# Allegro board PSOC_6A512K_CAPSENSE_VALIDATION_BOARD_Rev_2.brd
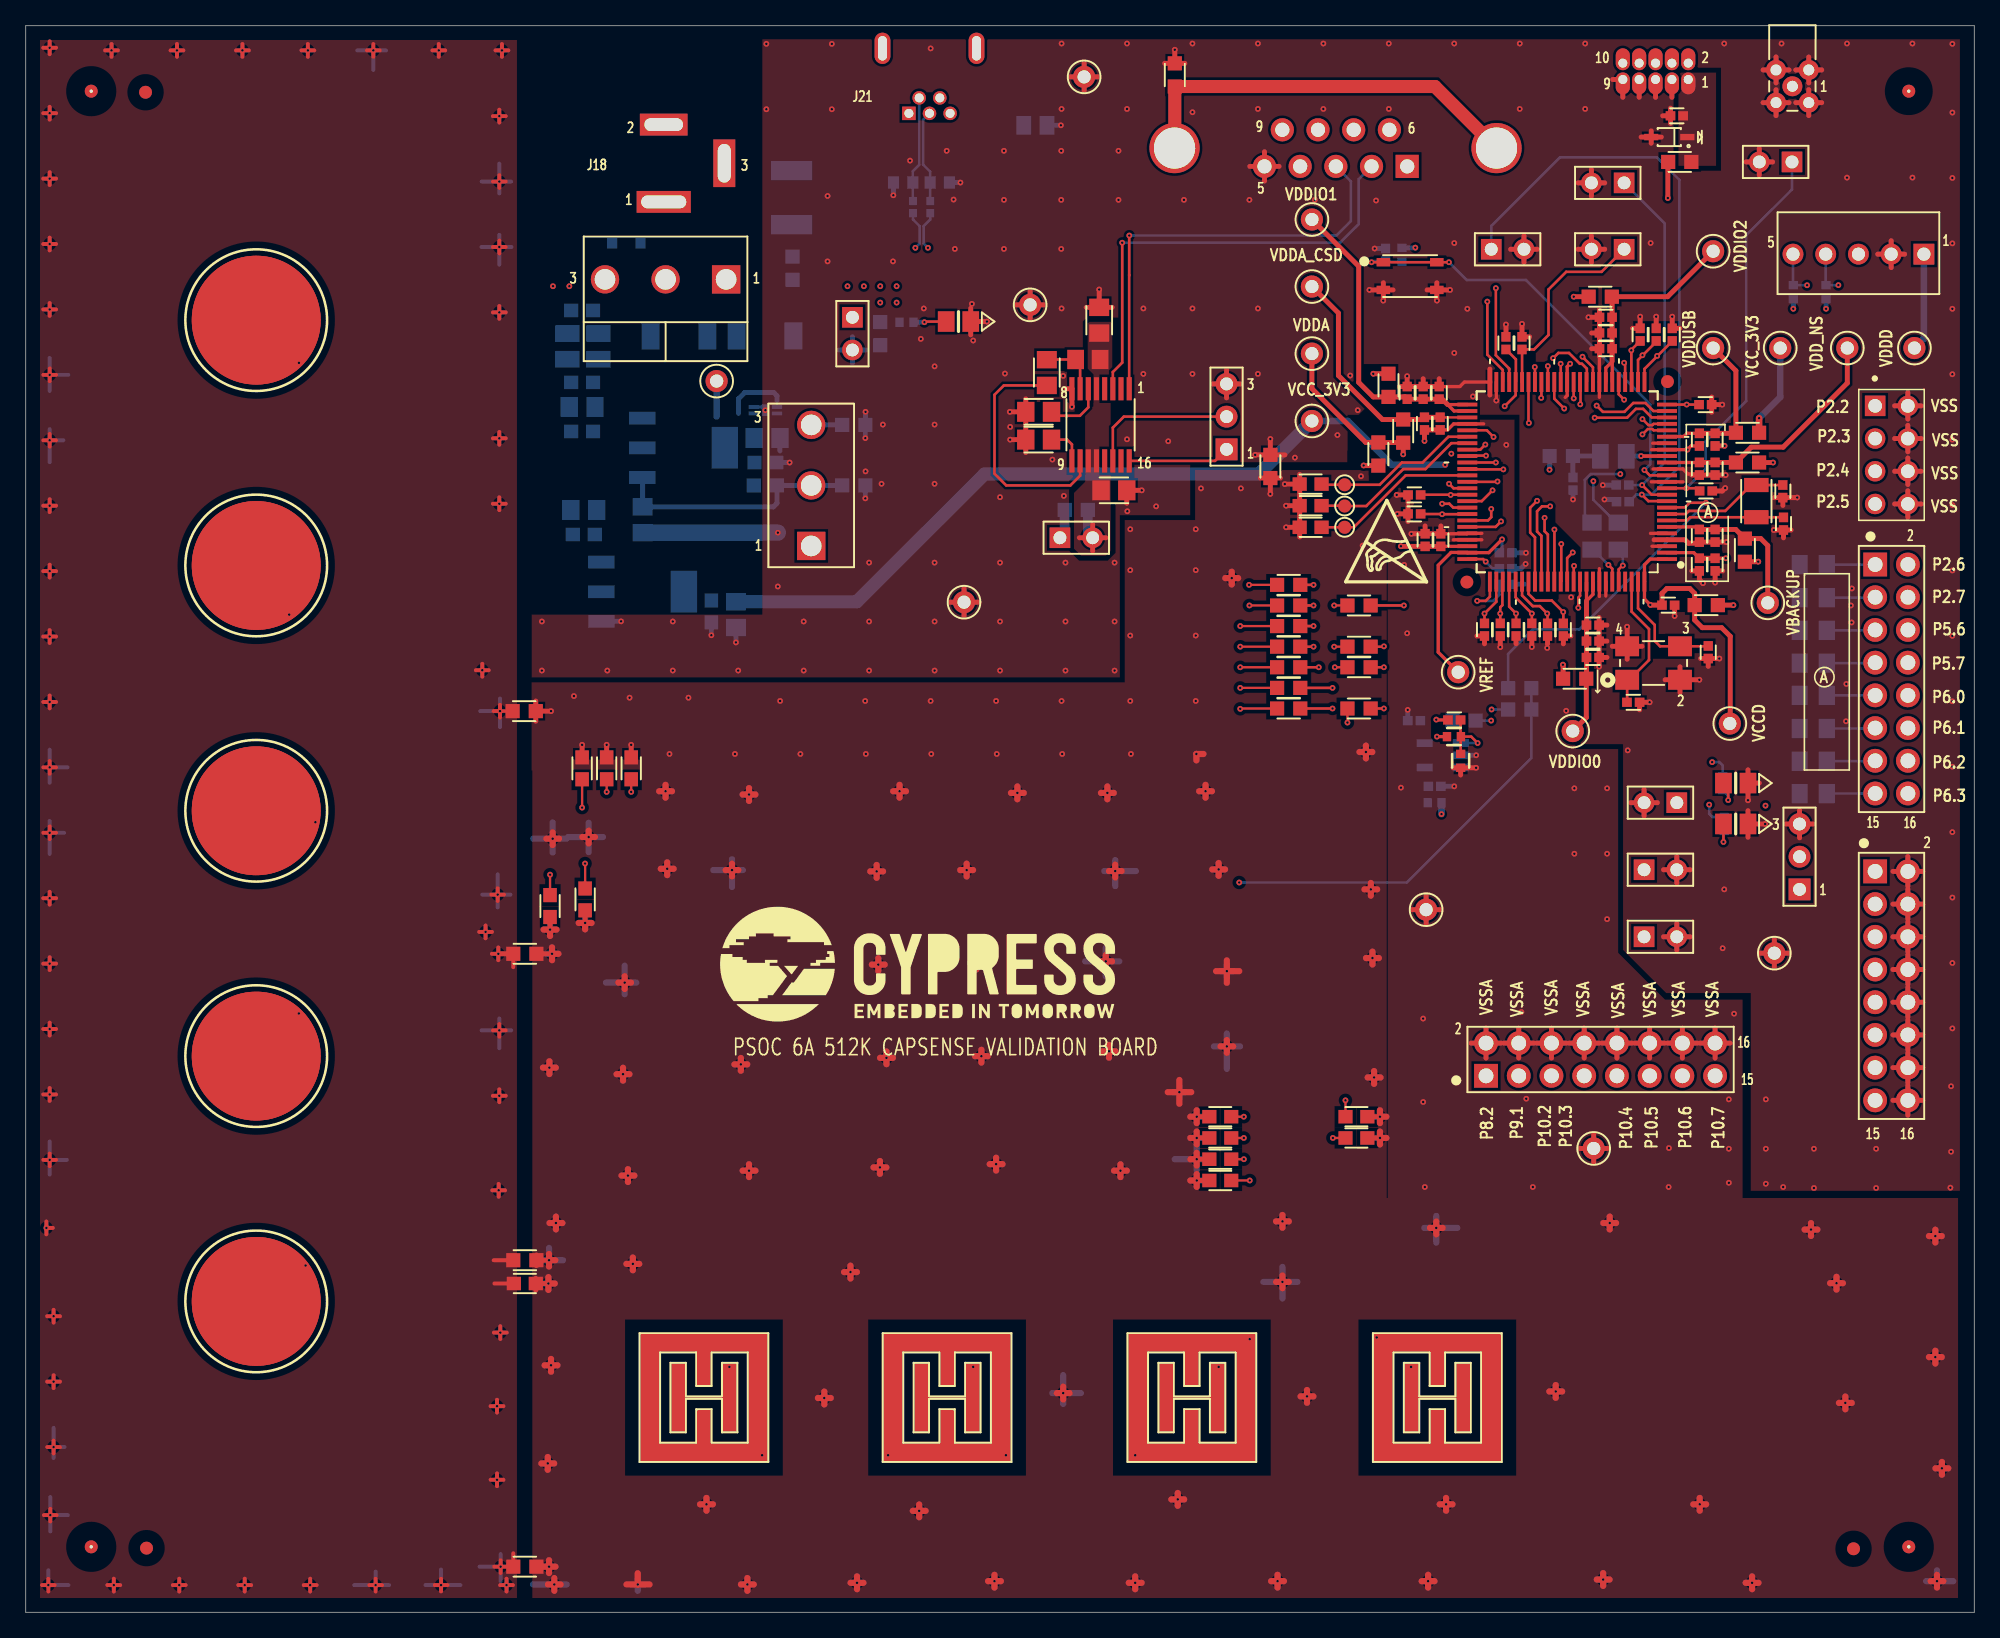
[diagram p0: board, top side]
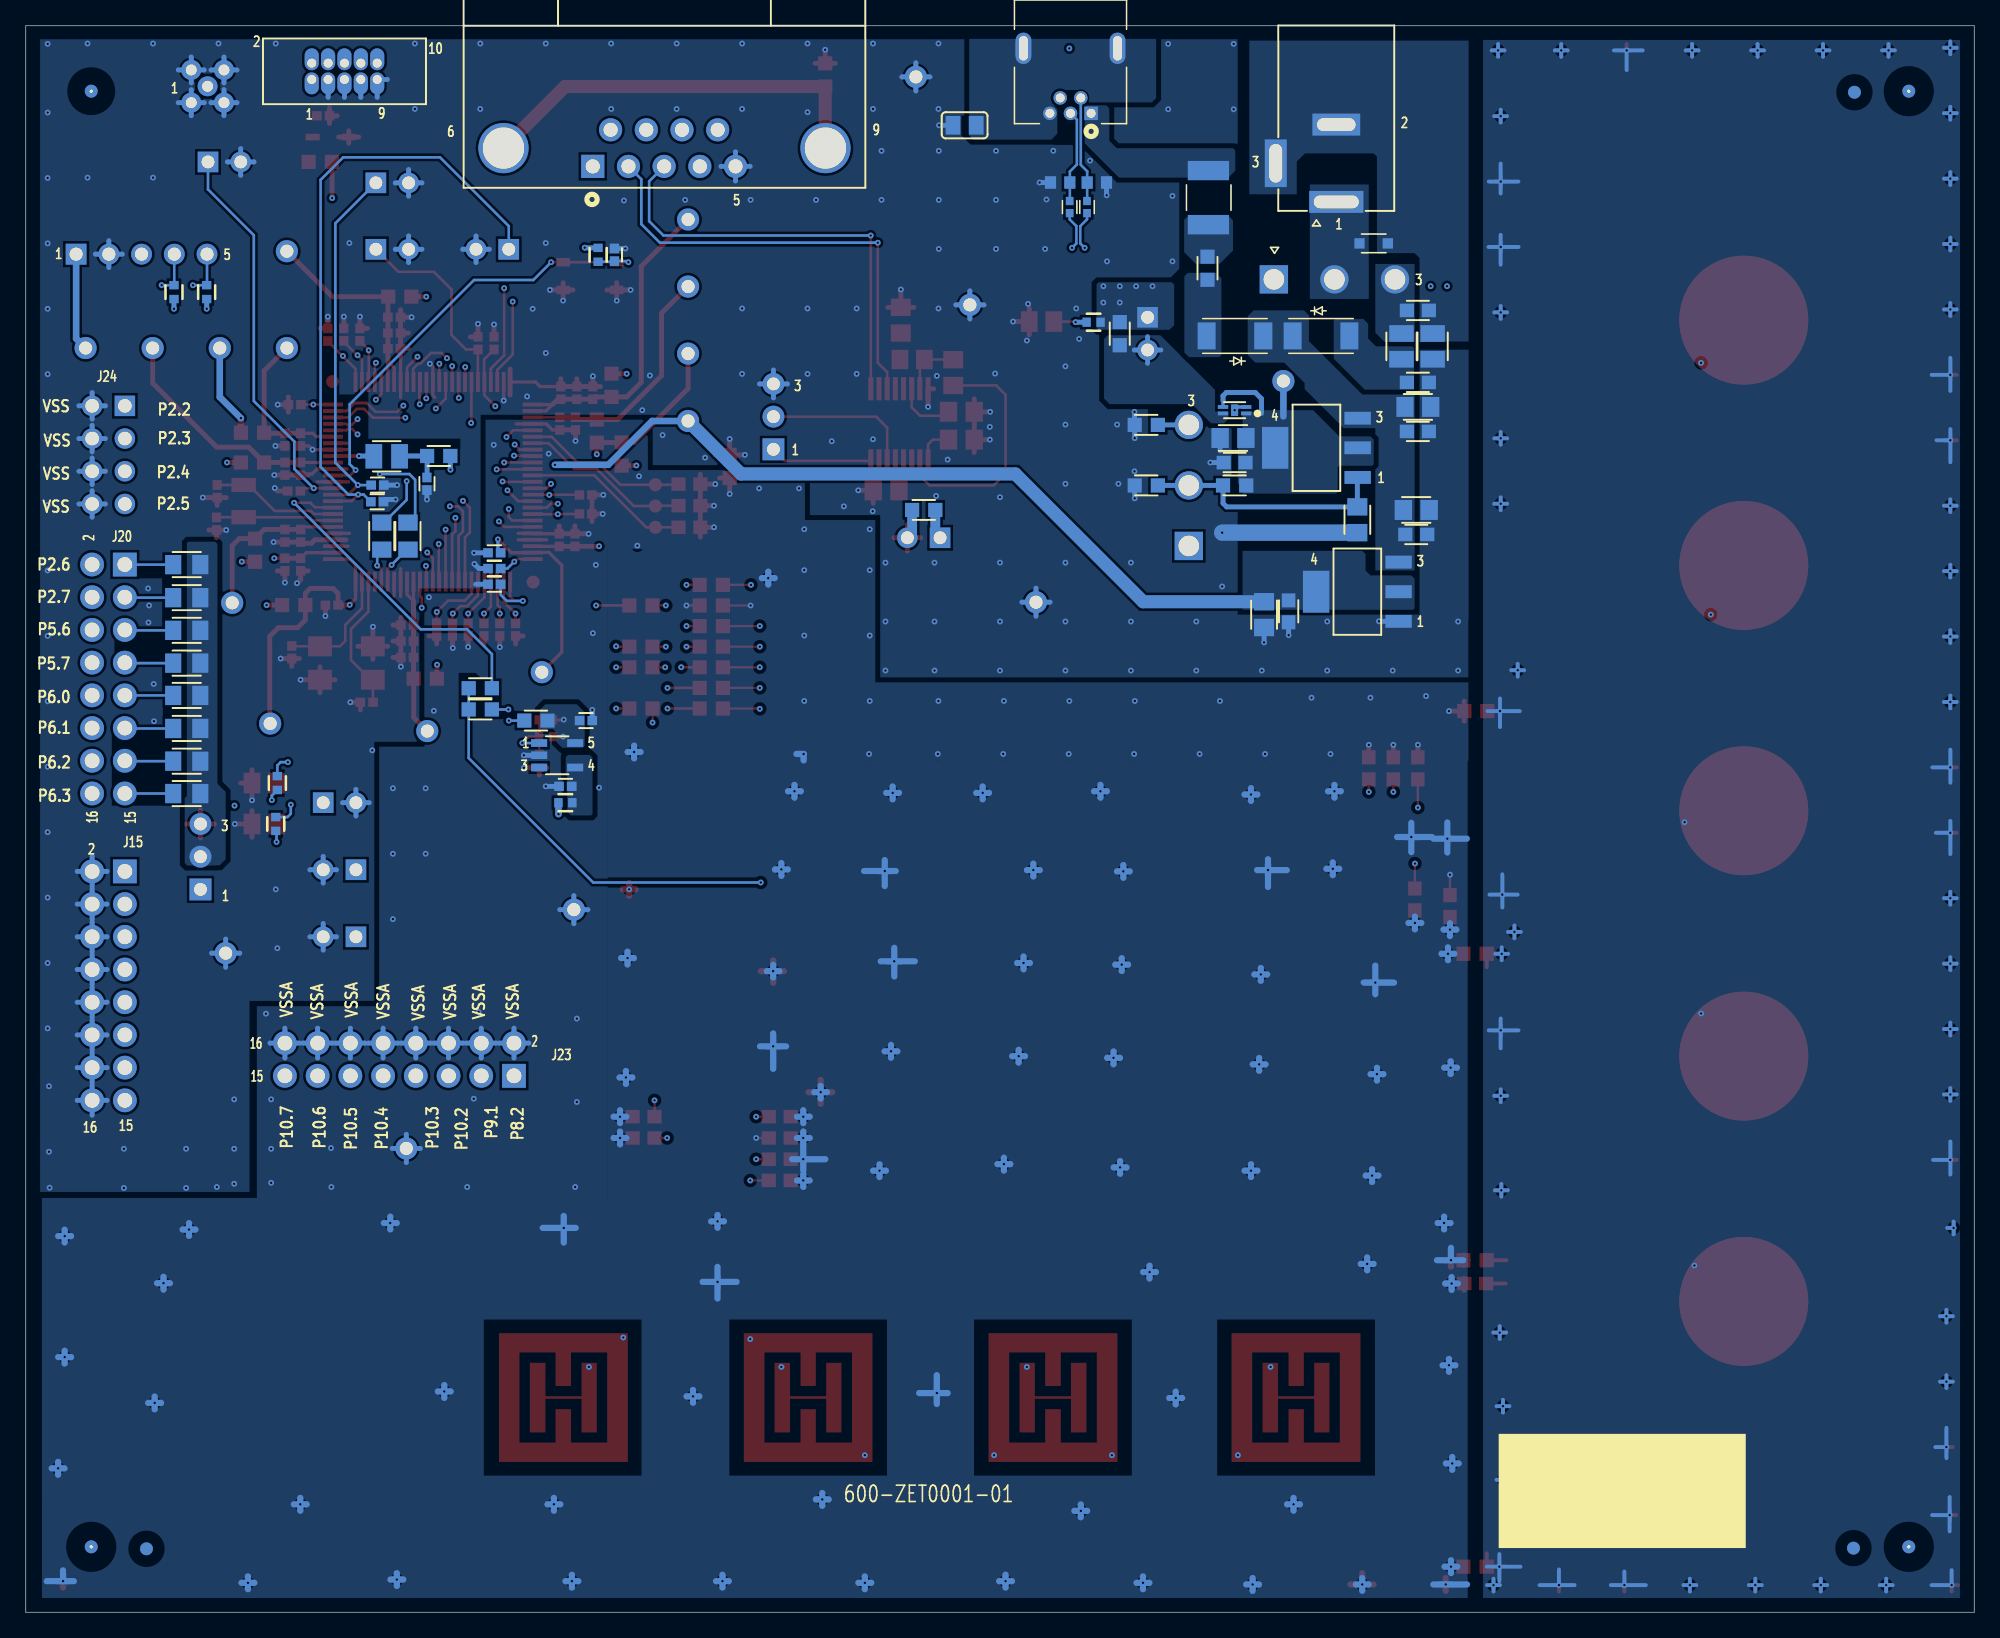
[diagram p1: board, bottom side, seen from below]

Outline 151.23 x 123.2 mm; copper layers: TOP, L02_GND, L03_SIG, L04_SIG, L05_PWR, BOTTOM. Coordinates in mm from the lower left corner of the outline.
Outline path: 0,123.2 151.23,123.2 151.23,0 0,0 0,123.2

## Design rules (mm)
net group I2C: nets I2C_SCL I2C_SDA
net group USB_DP1: nets USBDM USBDP
net group USB_DP2: nets N17706476 N17706697
net group CAP_SENSE: nets CSD0 CSD1 CSD2 CSD3 CSD4 RX0 RX1 RX2 RX3 TX0 TX1
net group PORT11: nets P11_0 P11_1 P11_2 P11_3 P11_4 P11_5 P11_6 P11_7

## Placement (name value [footprint] x y rotation side)
C1  1.0 uF  [CAPC1005_0402M]  128.14 116.2 180 top
C2  1 uF  [CAPC2012_0805M]  83.31 100.33 90 top
C3  220 nF  [CAPC2012_0805M]  79.25 96.27 270 top
C4  1 uF  [CAPC2012_0805M]  78.61 93.22 180 top
C5  1 uF  [CAPC2012_0805M]  78.61 91.06 180 top
C6  220 nF  [CAPC2012_0805M]  84.45 87.12 0 top
C8  1uF  [CAPC1005_0402M]  108.56 92.3 270 top
C9  0.1uF  [CAPC1005_0402M]  109.78 92.3 270 top
C11  10uF  [CAPC1005_0402M]  129.89 81.36 270 top
C12  0.1uF  [CAPC1005_0402M]  131.11 81.36 270 top
C13  1uF  [CAPC1005_0402M]  121.62 74.14 0 top
C14  0.1uF  [CAPC1005_0402M]  121.62 76.66 0 top
C15  1uF  [CAPC1005_0402M]  107.21 94.69 90 top
C16  0.1uF  [CAPC1005_0402M]  108.46 94.69 90 top
C17  1uF  [CAPC1005_0402M]  122.63 100.56 180 top
C18  0.1uF  [CAPC1005_0402M]  122.63 99.34 180 top
C19  10uF  [CAPC1005_0402M]  109.83 83.26 90 top
C20  0.1uF  [CAPC1005_0402M]  108.61 83.26 90 top
C21  470pF  [CAPC1608_0603M]  99.72 87.61 180 top
C22  470pF  [CAPC1608_0603M]  99.72 85.93 180 top
C23  2200pF  [CAPC1608_0603M]  99.72 84.25 180 top
C25  30 pF  [CAPC1608_0603M]  43.18 65.53 90 top
C26  20 pF  [CAPC1608_0603M]  45.09 65.53 90 top
C27  10 pF  [CAPC1608_0603M]  46.99 65.53 90 top
C28  1.0 nF  [CAPC1005_0402M]  110.87 69.29 0 top
C30  39 pF  [CAPC1608_0603M]  43.41 55.35 270 top
C31  10 pF  [CAPC1608_0603M]  92.71 38.48 180 top
C32  10 pF  [CAPC1608_0603M]  103.28 38.48 0 top
C33  10 pF  [CAPC1608_0603M]  92.71 36.83 180 top
C34  10 pF  [CAPC1608_0603M]  103.28 36.83 0 top
C35  10 pF  [CAPC1608_0603M]  92.71 35.18 180 top
C37  10 pF  [CAPC1608_0603M]  92.71 33.53 180 top
C39  10 pF  [CAPC1608_0603M]  38.73 25.53 0 top
C40  0.1 uF  [CAPC1005_0402M]  105.54 105.41 90 bottom
C41  0.1 uF  [CAPC1608_0603M]  43.18 101.09 180 bottom
C42  0.1 uF  [CAPC1608_0603M]  43.18 95.5 180 bottom
C43  10 uF  [CAPC2012_0805M]  43.18 93.6 180 bottom
C44  0.1 uF  [CAPC1608_0603M]  43.18 91.69 180 bottom
C45  10 uF  [CAPC2012_0805M]  57.53 91.19 0 bottom
C46  0.1 uF  [CAPC1608_0603M]  57.4 89.28 0 bottom
C48  33pF  [CAPC1005_0402M]  136.37 87.05 270 top
C49  18pF  [CAPC1005_0402M]  136.42 84.53 270 top
C50  10 uF  [CAPC2012_0805M]  43.31 85.6 180 bottom
C51  10 uF  [CAPC2012_0805M]  47.88 84.84 270 bottom
C52  0.1 uF  [CAPC1608_0603M]  43.31 83.69 180 bottom
C54  15 pF  [CAPC1005_0402M]  130.58 74.55 270 top
C55  15 pF  [CAPC1005_0402M]  124.76 70.66 0 top
C60  0.1 uF  [CAPC1608_0603M]  53.21 77.72 270 bottom
C61  10 uF  [CAPC2012_0805M]  55.12 77.47 270 bottom
C64  10 uF  [CAPC1005_0402M]  107.75 69.24 180 bottom
C65  1.0 uF  [CAPC1005_0402M]  109.35 64.14 0 bottom
C87  15 pF  [CAPC1005_0402M]  107.77 86.77 0 top
C88  15 pF  [CAPC1005_0402M]  107.77 85.29 0 top
C93  4.7uF  [CAPC1005_0402M]  120.09 87.63 270 bottom
C95  0.1uF  [CAPC1005_0402M]  129.9 88.8 270 top
C96  10uF  [CAPC1005_0402M]  131.12 88.8 270 top
C98  1uF  [CAPC1005_0402M]  127.48 78.21 0 top
C99  1uF  [CAPC1005_0402M]  114.86 82.27 0 bottom
C100  0.1uF  [CAPC1005_0402M]  121.62 75.41 0 top
C101  0.1uF  [CAPC1005_0402M]  109.7 94.69 90 top
C102  0.1uF  [CAPC1005_0402M]  122.63 98.12 180 top
C103  1uF  [CAPC1005_0402M]  131.12 91.06 270 top
C104  0.1uF  [CAPC1005_0402M]  129.9 91.06 270 top
C105  0.1uF  [CAPC1005_0402M]  129.89 83.59 270 top
C106  1uF  [CAPC1005_0402M]  131.11 83.59 270 top
C108  15 pF  [CAPC1005_0402M]  114.86 79.83 180 bottom
C109  15 pF  [CAPC1005_0402M]  114.86 81.05 180 bottom
C110  15 pF  [CAPC1005_0402M]  130.4 87.07 180 top
C111  15 pF  [CAPC1005_0402M]  114.88 98.55 270 top
C112  15 pF  [CAPC1005_0402M]  116.13 98.55 270 top
C113  15 pF  [CAPC1005_0402M]  123.93 87.53 0 bottom
C114  15 pF  [CAPC1005_0402M]  123.95 86.23 0 bottom
C115  15 pF  [CAPC1005_0402M]  119.34 76.3 90 top
C116  15 pF  [CAPC1005_0402M]  118.11 76.3 90 top
C117  15 pF  [CAPC1005_0402M]  116.89 76.3 90 top
C118  15 pF  [CAPC1005_0402M]  115.67 76.3 90 top
C119  15 pF  [CAPC1005_0402M]  114.44 76.3 90 top
C120  15 pF  [CAPC1005_0402M]  113.22 76.3 90 top
C121  39 pF  [CAPC1608_0603M]  40.69 54.84 270 top
C122  15 pF  [CAPC1005_0402M]  130.36 93.78 180 top
C123  15 pF  [CAPC1005_0402M]  127.79 99.21 270 top
C124  15 pF  [CAPC1005_0402M]  126.54 99.21 270 top
C125  15 pF  [CAPC1005_0402M]  125.3 99.21 270 top
CAP_SH1  CAP_SHIELD  [CAP_SH1]  35.43 73.15 270 top
CAP_SH2  CAP_SHIELD  [CAP_SH1]  140.54 25.55 0 top
CSB1  10mm Self Cap  [CSB-10MM]  17.89 100.34 0 top
CSB2  10mm Self Cap  [CSB-10MM]  17.89 81.29 0 top
CSB3  10mm Self Cap  [CSB-10MM]  17.89 62.24 0 top
CSB4  10mm Self Cap  [CSB-10MM]  17.89 43.19 0 top
CSB5  10mm Self Cap  [CSB-10MM]  17.89 24.14 0 top
CSB6  CSX_BUT_100x100  [CAPSEN_100X100_80]  52.63 16.67 180 top
CSB7  CSX_BUT_100x100  [CAPSEN_100X100_80]  71.51 16.67 180 top
CSB8  CSX_BUT_100x100  [CAPSEN_100X100_80]  90.5 16.67 180 top
CSB10  CSX_BUT_100x100  [CAPSEN_100X100_80]  109.5 16.67 180 top
D4  PMEG3020BEP  [SODFL470X250X110L60X175]  50.7 99.11 180 bottom
D5  PMEG3020BEP  [SODFL470X250X110L60X175]  57.38 99.11 0 bottom
F1  FUSE/SM  [F1812]  59.44 109.86 270 bottom
J1  MMCX  [MOLEX_734151001]  137.11 118.5 180 top
J2  2-pin HDR  [3M_961102-6404-AR]  137.08 112.62 180 top
J3  2-pin HDR  [3M_961102-6404-AR]  124.05 111 180 top
J4  2-pin HDR  [3M_961102-6404-AR]  124.05 105.84 180 top
J5  22-23-2051  [MOLEX_22-23-2051]  147.32 105.46 180 top
J6  2-pin HDR  [3M_961102-6404-AR]  113.74 105.84 0 top
J7  2-pin HDR  [3M_961102-6404-AR]  64.16 100.56 270 top
J8  3-pin HDR  [3M_961103-6404-AR]  93.2 90.3 90 top
J10  2-pin HDR  [3M_961102-6404-AR]  80.26 83.44 0 top
J11  3-pin HDR  [3M_961103-6404-AR]  137.67 56.13 90 top
J12  2-pin HDR  [3M_961102-6404-AR]  128.14 62.87 180 top
J13  2-pin HDR  [3M_961102-6404-AR]  125.6 57.66 0 top
J14  2-pin HDR  [3M_961102-6404-AR]  125.6 52.45 0 top
J15  Header 2x8  [HARWIN_M20-9970846]  143.54 57.53 270 top
J16  1734354-1  [TE_1734354-1]  107.22 112.28 0 bottom
J17  HDR_S 5x2  [CNC_3220-10-0100-00]  129.03 119.02 180 bottom
J18  PJ-002A  [CUI_PJ-002A]  49.51 109.52 90 bottom
J20  Header 2x8  [HARWIN_M20-9970846]  143.54 81.36 270 top
J21  USB  [TE_1734510]  70.14 120.4 0 bottom
J23  Header 2x8  [HARWIN_M20-9970846]  113.33 41.66 0 top
J24  Header 2x4  [HARWIN_M20-9980446]  143.54 93.68 270 top
L1  10uH  [INDC2012_0805N]  82.43 97.28 180 top
L2  2.2uH  [INDC2016_0806M]  44.45 98.3 270 bottom
L3  2.2uH  [INDC2016_0806M]  42.04 98.3 270 bottom
L4  2.2uH  [INDC2016_0806M]  123.22 89.76 180 bottom
L5  30 OHM  [FB0805]  78.36 115.47 0 bottom
LED1  GREEN LED  [LEDC2012_0805]  72.39 100.23 180 top
LED2  GREEN LED  [LEDC2012_0805]  132.72 64.39 180 top
LED3  GREEN LED  [LEDC2012_0805]  132.72 61.21 180 top
NOREF  -  []  79.94 0 90 top
NOREF#2  -  []  24.13 -10.03 0 top
NOREF#3  -  [unnamed#2]  146.15 118.12 0 top
NOREF#4  -  [unnamed#2]  146.15 5.08 0 top
NOREF#5  -  [unnamed#2]  5.08 5.08 0 top
NOREF#6  -  []  118.47 -13.61 0 top
NOREF#7  -  [unnamed#3]  9.37 4.98 0 top
NOREF#8  -  [unnamed#2]  5.08 118.12 0 top
NOREF#9  -  []  85.57 69.44 0 top
NOREF#10  -  []  236.56 259.57 0 top
NOREF#11  -  [unnamed#3]  9.3 118.03 0 top
NOREF#12  -  [unnamed#3]  141.86 4.93 0 top
NOREF#13  -  []  -292.35 -210.03 0 top
NOREF#14  -  []  119.38 71.12 0 top
NOREF#15  -  []  71.25 50.33 0 top
NOREF#16  -  []  0 77.42 0 top
NOREF#17  -  []  53.28 69.47 180 bottom
NOREF#18  -  []  27.32 9.42 180 bottom
NOREF#19  -  [unnamed#3]  9.3 118.03 180 bottom
NOREF#20  -  [unnamed#3]  141.86 4.93 180 bottom
NOREF#21  -  [unnamed#3]  9.37 4.98 180 bottom
R1  0 OHM  [RESC1608_0603M]  89.18 119.38 270 top
R2  0 OHM  [RESC1608_0603M]  128.37 112.62 180 top
R3  0 OHM  [RESC1608_0603M]  130.43 78.21 180 top
R4  0 OHM  [RESC1608_0603M]  133.43 82.47 90 top
R5  0 OHM  [RESC1608_0603M]  133.63 89.28 0 top
R6  560 OHM  [RESC1608_0603M]  98.02 79.78 0 top
R8  560 OHM  [RESC1608_0603M]  98.02 78.18 0 top
R9  560 OHM  [RESC1608_0603M]  103.48 78.18 0 top
R10  560 OHM  [RESC1608_0603M]  98.02 76.58 0 top
R12  560 OHM  [RESC1608_0603M]  98.02 74.98 0 top
R13  560 OHM  [RESC1608_0603M]  103.48 74.98 0 top
R14  0 OHM  [RESC1608_0603M]  38.68 69.98 180 top
R17  560 OHM  [RESC1608_0603M]  98.02 73.38 0 top
R18  560 OHM  [RESC1608_0603M]  103.48 73.38 180 top
R19  560 OHM  [RESC1608_0603M]  98.02 71.78 0 top
R21  0 OHM  [RESC1608_0603M]  111.63 69.24 0 bottom
R25  560 OHM  [RESC1608_0603M]  103.48 70.18 180 top
R26  15.6K  [RESC1005_0402M]  110.85 68 180 top
R27  10K  [RESC1005_0402M]  111.37 66.12 90 top
R28  0 OHM  [RESC1608_0603M]  38.73 51.13 180 top
R29  0 OHM  [RESC1608_0603M]  38.73 27.34 180 top
R30  0 OHM  [RESC1608_0603M]  38.73 3.54 180 top
R31  4.7K  [RESC1005_0402M]  106.81 105.41 270 bottom
R32  4.7K  [RESC1005_0402M]  139.73 102.51 270 bottom
R33  4.7K  [RESC1005_0402M]  137.19 102.51 270 bottom
R34  750 OHM  [RESC1005_0402M]  68.35 100.18 0 bottom
R36  0 OHM  [RESC1608_0603M]  66.32 99.29 90 bottom
R38  33 Ohm  [RESC2012_0805M]  138.73 81.35 0 bottom
R39  73.2E  [RESC1608_0603M]  64.26 92.2 180 bottom
R40  33 Ohm  [RESC2012_0805M]  138.73 78.79 0 bottom
R41  330 Ohm  [RESC2012_0805M]  123.6 83.57 270 bottom
R42  330 Ohm  [RESC2012_0805M]  121.56 83.57 270 bottom
R43  33 Ohm  [RESC2012_0805M]  138.73 76.25 0 bottom
R45  200E  [RESC1608_0603M]  64.26 87.5 180 bottom
R46  121E  [RESC1608_0603M]  57.4 87.5 180 bottom
R47  33 Ohm  [RESC2012_0805M]  138.73 73.7 0 bottom
R48  0 OHM  [RESC1608_0603M]  81.53 85.6 180 bottom
R49  33 Ohm  [RESC2012_0805M]  138.73 71.19 0 bottom
R50  33 Ohm  [RESC2012_0805M]  138.73 68.63 0 bottom
R51  33 Ohm  [RESC2012_0805M]  138.73 66.09 0 bottom
R54  33 Ohm  [RESC2012_0805M]  138.73 63.57 0 bottom
R55  0 OHM  [RESC1608_0603M]  115.95 71.75 0 bottom
R57  0 OHM  [RESC1608_0603M]  115.95 70.1 0 bottom
R58  750 OHM  [RESC1005_0402M]  131.7 64.39 270 bottom
R59  10K  [RESC1005_0402M]  109.35 62.87 0 bottom
R60  750 OHM  [RESC1005_0402M]  131.83 61.21 270 bottom
R63  0 OHM  [RESC1608_0603M]  96.6 88.98 270 top
R67  0 OHM  [RESC1608_0603M]  133.63 91.59 180 top
R68  0 OHM  [RESC1608_0603M]  119.18 89.79 180 bottom
R69  0 OHM  [RESC1608_0603M]  106.91 91.72 270 top
R70  0 OHM  [RESC1608_0603M]  120.22 72.49 0 top
R71  0 OHM  [RESC1608_0603M]  104.98 89.94 270 top
R72  0 OHM  [RESC1608_0603M]  105.77 95.28 270 top
R73  0 OHM  [RESC1608_0603M]  122.2 102.16 0 top
R76  22R  [R0402]  68.86 109.12 270 bottom
R77  22R  [R0402]  70.21 109.12 270 bottom
R78  0 OHM  [RESC1608_0603M]  59.51 104.37 270 bottom
R79  560 OHM  [RESC1608_0603M]  98.02 70.18 0 top
RV1  CG0603MLC-05E  [VAR0603]  68.1 111.02 180 bottom
RV2  CG0603MLC-05E  [VAR0603]  70.94 111.02 0 bottom
SW1  SKRPACE010  [SW_SKRPACE010]  107.44 103.76 0 top
SW2  GH36P010001  [SW_GH39P010001]  54.36 103.5 180 top
SW3  GH36P010001  [SW_GH39P010001]  60.96 82.8 90 top
TP1  RED  [TPT_KEY_5000]  99.82 108.15 0 top
TP2  RED  [TPT_KEY_5000]  146.58 98.17 0 top
TP3  RED  [KEYSTONE_5000]  53.62 95.61 0 top
TP5  RED  [TPT_KEY_5000]  130.96 105.69 0 top
TP6  RED  [TPT_KEY_5000]  120.07 68.43 0 top
TP7  RED  [KEYSTONE_5000]  99.82 92.51 0 top
TP8  RED  [TPT_KEY_5000]  136.17 98.17 0 top
TP9  RED  [TPT_KEY_5000]  99.82 97.74 0 top
TP11  RED  [TPT_KEY_5000]  141.38 98.17 0 top
TP12  BLACK  [TPT_KEY_5000]  77.95 101.52 0 top
TP13  RED  [TPT_KEY_5000]  99.82 102.95 0 top
TP14  RED  [TPT_KEY_5000]  130.96 98.17 0 top
TP15  TP_SMD  [TP102C]  102.36 87.55 270 top
TP16  TP_SMD  [TP102C]  102.36 85.9 270 top
TP17  TP_SMD  [TP102C]  102.36 84.25 270 top
TP18  BLACK  [TPT_KEY_5000]  72.82 78.44 0 top
TP19  RED  [TPT_KEY_5000]  132.26 69.01 0 top
TP20  RED  [TPT_KEY_5000]  111.18 73 0 top
TP21  RED  [TPT_KEY_5000]  135.2 78.38 0 top
TP22  BLACK  [TPT_KEY_5000]  108.69 54.56 0 top
TP25  BLACK  [TPT_KEY_5000]  135.71 51.18 0 top
TP26  BLACK  [TPT_KEY_5000]  82.14 119.23 0 top
TP28  BLACK  [TPT_KEY_5000]  121.69 36.02 0 top
TVS1  ESDLC3V3D3-TP  [SOD2413X110M]  127.56 114.55 180 top
TVS2  SD12CT1G  [DIO2_SOD323N_BI]  46.61 106.3 0 bottom
U1  LTC2804IGN-1#PBF  [SSOP64P601X175-16M]  83.42 92.21 270 top
U3  SiP32408  [TDFN50P160X120X60-5M]  57.4 93.34 0 bottom
U4  LM1117MPX-ADJ  [SOT230P700X180-4M]  51.05 90.42 90 bottom
U5  LM1117MPX-3.3/NOPB  [SOT230P700X180-4M]  47.88 79.25 90 bottom
U6  LT6650HS5#TRMPBF  [TSOT95P280X100-5M_LT]  109.98 66.55 180 bottom
U8  P6A512K_100TQFP_NEW  [TQFP50P1600X1600X160-100N]  119.63 87.78 180 top
Y1  32.768KHz  [XTAL320X150X90N_ECS]  134.32 86.28 270 top
Y2  24Mhz  [OSCCC320X500X85-4M]  126.34 73.71 0 top

## Library data of the parts
C1-C6 C8 C9 C11-C20 C25-C28 C30-C35 C37 C39-C46 C48-C52 C60 C61 C64 C65 C93 C95 C96 C98-C106 C121 = CAPACITOR NON-POL
C21-C23 = CAP
C54 C55 C87 C88 C108-C120 C122-C125 = CAP NP
CAP_SH1 = CAP_SHIELD: User Part Number: Part No
CAP_SH2 = CAP_SHIELD_1: User Part Number: Part No
CSB1-CSB5 = CapSense Button Circle Solid
CSB6-CSB8 CSB10 = Cap_Button_Mutual
D4 = DIODE SCHOTTKY_0
D5 = DIODE SCHOTTKY_1
F1 = FUSE/SM
J1 = CONN_MMCX
J2-J4 J6 J7 J10 J12-J14 = CONN PCB 2
J5 = CONN PCB 5
J8 J11 = CON3_0
J15 J20 J23 = HDR_2x16_SHRD_3: alternate symbols: (HARWIN_M20-9970846)
J16 = DB9_2
J17 = RECPT 4X2 100MIL_2
J18 = JCK PWR BARRELL P5_0
J21 = CON4_1
J24 = CON8A
L1 = INDUCTOR: User Part Number: Part No
L2-L4 = INDUCTOR
L5 = BEAD
LED1-LED3 = DIO-LED
NOREF#3-NOREF#5 NOREF#8 = -: User Part Number: MTGHOLE_D320N
R1-R6 R8-R10 R12-R14 R17-R19 R21 R25 R28-R30 R34 R36 R38-R43 R45-R51 R54 R55 R57 R58 R60 R63 R67-R73 R76-R79 = RESISTOR
R26 R27 R31-R33 R59 = RES
RV1 RV2 = VARISTOR
SW1 = SW PUSH NO 4-PIN
SW2 SW3 = SW_T_SPDT_0
TP1-TP3 TP5-TP9 TP11-TP22 TP25 TP26 TP28 = TEST_POINT
TVS1 = TVS 5V SOD-323_3
TVS2 = DIO-TVS-BI: User Part Number: Part No
U1 = U2_0
U3 = SiP32408_0
U4 = U3_1
U5 = U3_0
U6 = LT6650
U8 = P6A512K_100TQFP_NEW
Y1 = CRYSTAL
Y2 = ZTA_14

## Footprints (pads in the part's own frame, mm; a bottom-side part is the same pattern mirrored in y, then rotated)
3M_961102-6404-AR
  rect 1.6x1.6 hole 1: 1(0,0)
  round 1.6 hole 1: 2(2.54,0)
3M_961103-6404-AR
  rect 1.7x1.7 hole 1: 1(0,0)
  round 1.7 hole 1: 2(2.54,0) 3(5.08,0)
CAP_SH1
  rect 0.3x0.25 smd: 1(0,0)
CAPC1005_0402M
  rect 0.75x0.72 smd: 1(-0.49,0) 2(0.49,0)
CAPC1608_0603M
  rect 1.1x1.05 smd: 1(-0.85,0) 2(0.85,0)
CAPC2012_0805M
  rect 1.35x1.55 smd: 1(-1,0) 2(1,0)
CAPSEN_100X100_80
  round 0.3 smd: 1(-4.2,2.1) 2(-2,2.1)
CNC_3220-10-0100-00
  oval 1.1x1.7 hole 0.7: 1(0,0) 2(0,1.27) 3(1.27,0) 4(1.27,1.27) 5(2.54,0) 6(2.54,1.27) 7(3.81,0) 8(3.81,1.27) 9(5.08,0) 10(5.08,1.27)
CSB-10MM
  custom 10x2.5 smd: 1(0,0)
CUI_PJ-002A
  rect 1.7x4.2 hole 1x3.5: 1(0,0)
  rect 1.7x3.7 hole 1x3: 2(6,0)
  rect 3.7x1.7 hole 3x1: 3(3,4.7)
DIO2_SOD323N_BI
  rect 0.8x0.8 smd: 1(-1.1,0) 2(1.1,0)
F1812
  rect 1.5x3.2 smd: 1(-2.1,0) 2(2.1,0)
FB0805
  rect 1.15x1.45 smd: 1(-0.9,0) 2(0.9,0)
HARWIN_M20-9970846
  rect 1.85x1.85 hole 1.15: 1(0,0)
  round 1.85 hole 1.15: 2(0,2.54) 3(2.54,0) 4(2.54,2.54) 5(5.08,0) 6(5.08,2.54) 7(7.62,0) 8(7.62,2.54) 9(10.16,0) 10(10.16,2.54) 11(12.7,0) 12(12.7,2.54) 13(15.24,0) 14(15.24,2.54) 15(17.78,0) 16(17.78,2.54)
HARWIN_M20-9980446
  rect 1.59x1.59 hole 1.06: 1(0,0)
  round 1.59 hole 1.06: 2(0,2.54) 3(2.54,0) 4(2.54,2.54) 5(5.08,0) 6(5.08,2.54) 7(7.62,0) 8(7.62,2.54)
INDC2012_0805N
  rect 1.3x1.5 smd: 1(-0.95,0) 2(0.95,0)
INDC2016_0806M
  rect 1.3x1.9 smd: 1(-1,0) 2(1,0)
KEYSTONE_5000
  round 1.72 hole 1.02: 1(0,0)
LEDC2012_0805
  rect 1.295x1.6 smd: A(0.953,0) K(-0.953,0)
MOLEX_22-23-2051
  rect 1.62x1.62 hole 1.02: 1(0,0)
  round 1.62 hole 1.02: 2(2.54,0) 3(5.08,0) 4(7.62,0) 5(10.16,0)
MOLEX_734151001
  round 1.55 hole 0.85: 1(0,0) 2(-1.27,-1.27) 3(-1.27,1.27) 4(1.27,1.27) 5(1.27,-1.27)
OSCCC320X500X85-4M
  rect 1.85x1.55 smd: 1(-2.05,-1.3) 2(2.05,-1.3) 3(2.05,1.3) 4(-2.05,1.3)
R0402
  rect 0.64x0.6 smd: 1(-0.47,0) 2(0.47,0)
RESC1005_0402M
  rect 0.65x0.72 smd: 1(-0.54,0) 2(0.54,0)
RESC1608_0603M
  rect 1.1x1.1 smd: 1(-0.9,0) 2(0.9,0)
RESC2012_0805M
  rect 1.25x1.5 smd: 1(-1.05,0) 2(1.05,0)
SOD2413X110M
  rect 1.1x0.5 smd: A(1.4,0) K(-1.4,0)
SODFL470X250X110L60X175
  rect 1.4x2.1 smd: 1(-2.2,0) 2(2.2,0)
SOT230P700X180-4M
  rect 1x2.05 smd: 1(-2.3,-3.2) 2(0,-3.2) 3(2.3,-3.2)
  rect 3.25x2.05 smd: 4(0,3.2)
SSOP64P601X175-16M
  rect 1.8x0.4 smd: 1(-2.8,2.223) 2(-2.8,1.587) 3(-2.8,0.953) 4(-2.8,0.318) 5(-2.8,-0.318) 6(-2.8,-0.953) 7(-2.8,-1.587) 8(-2.8,-2.223) 9(2.8,-2.223) 10(2.8,-1.587) 11(2.8,-0.953) 12(2.8,-0.318) 13(2.8,0.318) 14(2.8,0.953) 15(2.8,1.587) 16(2.8,2.223)
SW_GH39P010001
  rect 2.2x2.2 hole 1.6: 1(0,0)
  round 2.2 hole 1.6: 2(4.7,0) 3(9.4,0)
SW_SKRPACE010
  rect 1.05x0.65 smd: 1(-2.075,1.075) 2(2.075,1.075) 3(-2.075,-1.075) 4(2.075,-1.075)
TDFN50P160X120X60-5M
  rect 0.8x0.3 smd: 1(-0.9,0.25) 2(-0.9,-0.25) 3(0.9,-0.25) 4(0.9,0.25)
  rect 0.55x0.9 smd: H(0,0)
TE_1734354-1
  rect 1.8x1.8 hole 1.1: 1(0,0)